# Altium PCB shkb_lite_mini.PcbDoc (part 2 of 2)
Units mm, origin at the board's own origin, x right, y up, seen from the top; angles counter-clockwise.
Board outline 141.5 x 36 mm, 2 copper layers (Top Layer, Bottom Layer), stack 1.57 mm thick; 71 components, 51 nets, 353 pads, 289 vias.
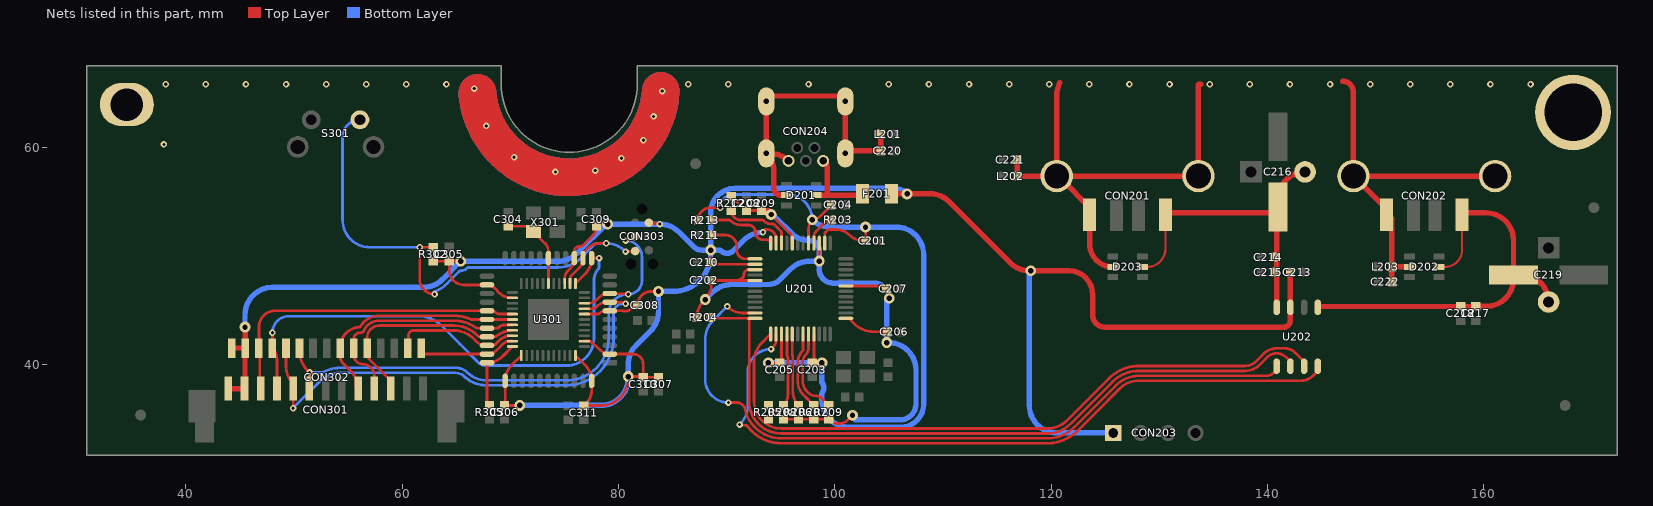
[diagram p2: the nets of this part, all layers, seen from the top]

## Via types
v1: diameter 0.6, hole 0.3, Top Layer to Bottom Layer, tented both sides, 261 vias
v2: diameter 1, hole 0.5, Top Layer to Bottom Layer, tented both sides, 19 vias
v3: diameter 0.6, hole 0.3, Top Layer to Bottom Layer, 9 vias

## Nets (pads, with @x,y where several pads share a name; then routed paths per layer and width w, separated by ;. In a path a pad name is that pad's centre, name@x,y a point inside that pad or via, vN(x,y) a via of type N, cw(c..) or ccw(c..) an arc to the next point about the centre after c; other vN are vias at no path point) (continued)
NetC304_2: C304.2 U301.17 X301.3 | length 7.9
  Top Layer w0.254: C304.2@69.807,52.771 71.531,52.771 72.036,52.266 X301.3@72.136,52.266 73.173,51.23 cw(c72.345,50.402) 73.515,50.402 U301.17@73.515,49.817 U301.17@73.515,47.467
NetR203_2: R203.2 U201.28 | length 3
  Top Layer w0.254: U201.28@98.065,51.198 98.065,51.76 cw(c98.882,51.76) 98.304,52.338 99.055,53.089 cw(c99.68,52.464) 99.069,53.103 cw(c99.68,52.464) R203.2@99.68,53.348
NetR206_1: R206.1 U201.5 | length 6.7
  Top Layer w0.254: U201.5@96.065,42.798 96.065,40.875 ccw(c96.319,40.876) 96.077,40.798 cw(c95.335,40.555) 96.116,40.555 96.116,37.5 ccw(c97.929,37.5) R206.1@96.647,36.218
NetR207_1: R207.1 U201.7 | length 7.3
  Top Layer w0.254: U201.7@97.065,42.798 97.065,41.377 cw(c96.811,41.377) 97.012,41.222 cw(c96.641,41.51) 96.972,41.177 ccw(c97.948,40.204) 96.785,40.943 ccw(c97.948,40.204) 96.595,40.464 ccw(c97.948,40.204) 96.57,40.204 96.57,38.437 ccw(c98.369,38.437) 97.096,37.166 ccw(c98.369,38.437) 97.098,37.164 97.223,37.039 ; 97.223,37.039 ccw(c98.19,38.003) 97.225,37.037 ccw(c98.19,38.003) 97.305,36.963 cw(c97.141,36.77) 97.353,36.909 97.746,36.516 97.746,36.491 98.019,36.218 R207.1@98.044,36.218
NetR208_1: R208.1 U201.4 | length 7.3
  Top Layer w0.254: R208.1@95.25,36.218 ccw(c94.255,37.213) 95.662,37.213 95.662,40.555 ; U201.4@95.565,42.798 95.565,40.875 ccw(c95.819,40.876) 95.607,40.737 cw(c95.335,40.555) 95.662,40.555 ; 95.662,40.013 95.662,40.555
NetR209_1: R209.1 U201.8 | length 7.8
  Top Layer w0.254: U201.8@97.565,42.798 97.565,41.51 cw(c96.641,41.51) 97.295,40.858 ccw(c97.948,40.204) 97.024,40.204 97.024,38.437 ccw(c98.369,38.437) 97.418,37.486 97.545,37.359 ccw(c98.19,38.003) 98.19,37.092 cw(c98.19,36.241) 98.791,36.843 R209.1@99.28,36.355
NetR211_2: R211.2 U201.37 | length 5.4
  Top Layer w0.254: R211.2@88.661,51.976 R211.2@88.661,51.951 89.871,51.951 cw(c89.871,50.89) 90.932,50.89 90.932,50.554 ccw(c91.738,50.554) 91.738,49.748 U201.37@92.615,49.748
NetR212_1: R212.1 U201.34 | length 6.6
  Top Layer w0.254: R212.1@90.424,54.222 ccw(c91.306,54.222) 91.306,53.34 93.267,53.34 cw(c93.266,53.086) 93.454,53.257 ccw(c94.107,53.848) 94.206,52.973 cw(c94.234,52.72) 94.413,52.9 94.738,52.575 ; 94.738,52.574 94.991,52.322 cw(c94.811,52.143) 95.065,52.143 U201.34@95.065,51.198
NetR213_2: R213.2 U201.36 | length 6.5
  Top Layer w0.254: R213.2@88.661,53.34 90.195,53.34 cw(c90.194,53.086) 90.371,53.268 ccw(c91.306,54.222) 91.306,52.886 91.982,52.886 cw(c91.982,52.204) 92.664,52.208 cw(c91.982,52.204) 92.664,52.204 ccw(c93.345,52.197) 93.345,51.516 93.747,51.516 cw(c93.747,51.198) 94.047,51.304 cw(c93.747,51.198) U201.36@94.065,51.198
NetR305_2: R305.2 U301.33 | length 6.9
  Top Layer w0.254: R305.2@68.072,36.21 67.84,36.442 U301.33@67.84,40.142 ccw(c67.84,42.194) 69.291,40.743 U301.33@70.19,41.642
OVCB1: R204.1 U201.48 U202.2 | length 70.1
  Top Layer w0.254: R204.1@88.534,44.331 88.617,44.248 U201.48@92.075,44.248 ; 92.091,36.265 ccw(c95.04,36.574) 95.04,33.609 119.679,33.609 ccw(c119.679,36.149) 119.945,33.623 ccw(c119.656,36.603) 121.774,34.487 125.664,38.377 cw(c128.104,35.941) 125.668,38.381 cw(c128.104,35.941) 127.87,39.381 cw(c128.071,36.849) 128.071,39.389 137.922,39.389 ccw(c137.922,41.275) 139.254,39.94 ccw(c137.922,41.275) 139.257,39.943 139.981,40.667 cw(c140.836,39.811) 140.836,41.021 cw(c140.836,39.811) 141.691,40.667 142.113,40.245 U202.2@142.113,39.82 ; U201.48@92.615,44.248 92.096,44.248 92.075,44.227 92.075,36.574 ccw(c95.04,36.574) 92.837,34.589 ccw(c95.04,36.574) 92.859,34.565 ; 93.319,34.159 ccw(c95.04,36.574) 94.554,33.649
OVCB2: R205.1 U201.1 U202.3 | length 62.6
  Top Layer w0.254: U201.1@94.065,42.798 93.238,41.971 ccw(c94.95,40.259) 92.529,40.259 92.529,36.574 ccw(c95.04,36.574) 95.04,34.063 119.656,34.063 ccw(c119.656,36.603) 121.452,34.807 125.342,38.697 cw(c128.104,35.941) 125.348,38.703 cw(c128.104,35.941) 127.836,39.834 cw(c128.071,36.849) 128.071,39.843 137.922,39.843 ccw(c137.922,41.275) 138.934,40.263 139.659,40.987 cw(c140.836,39.811) 139.661,40.989 cw(c140.836,39.811) 140.836,41.475 141.591,41.475 cw(c141.591,40.118) 142.55,41.077 143.383,40.245 U202.3@143.383,39.82
PB0: CON301.9 CON302.5 U301.8 | length 48.1
  Top Layer w0.254: CON302.5@49.255,41.502 49.255,39.837 ccw(c51.532,39.837) 49.922,38.227 CON301.9@49.922,37.749 49.916,37.744 49.916,35.946 v1(49.911,35.941) ; U301.8@76.84,45.142 77.503,45.142 ccw(c77.503,45.814) 77.978,45.339 cw(c78.951,44.366) 78.951,45.742 U301.8@79.19,45.742 80.402,45.742 80.551,45.593 v1(80.645,45.593)
  Bottom Layer w0.254: v1(49.911,35.941) 52.45,38.48 cw(c54.246,36.684) 54.246,39.224 64.574,39.224 cw(c64.574,36.259) 65.46,39.089 cw(c65.384,38.846) 65.517,39.063 cw(c64.95,38.148) 65.716,38.904 65.81,38.81 65.847,38.773 cw(c65.728,38.548) 65.891,38.743 ccw(c67.756,40.956) 67.282,38.101 ; 66.614,38.297 ccw(c67.756,40.956) 67.282,38.101 ; v1(80.645,45.593) 80.391,45.593 ccw(c80.391,44.742) 79.587,45.022 ccw(c79.828,44.94) 79.582,45.004 ccw(c80.899,44.669) 79.54,44.669 79.54,42.383 cw(c78.867,42.383) 79.54,42.361 ccw(c79.794,42.355) 79.54,42.359 cw(c75.184,42.418) 79.531,42.134 79.531,42.064 cw(c78.823,42.065) 79.51,41.896 ccw(c79.757,41.836) 79.505,41.87 cw(c75.184,42.418) 75.184,38.062 67.568,38.062 cw(c67.568,38.516) 67.471,38.073 67.453,38.076 ccw(c67.399,37.828) 67.426,38.081 cw(c67.756,40.956) 67.282,38.101
PB1: CON301.8 CON302.6 CON303.3 U301.9 | length 51.7
  Top Layer w0.254: CON302.6@50.505,40.831 CON302.6@50.505,41.226 ; CON302.6@50.505,41.502 CON302.6@50.505,41.226 ; CON301.8@51.422,37.749 51.428,37.756 51.428,39.223 v1@51.422,39.23 ; v1(51.435,39.243) 51.248,39.43 cw(c53.045,41.226) CON302.6@50.505,41.226 ; U301.9@76.84,45.642 77.177,45.642 ccw(c77.177,46.775) 77.978,45.974 78.091,46.087 cw(c79.19,44.987) U301.9@79.19,46.542 79.22,46.512 80.869,46.512 v1(80.899,46.482) ; v1(80.645,51.435) ccw(c80.645,52.661) 81.512,51.794 CON303.3@81.534,51.816
  Bottom Layer w0.254: v1(51.435,39.243) 52.623,39.243 ccw(c52.622,39.497) 52.749,39.277 cw(c54.246,36.684) 54.246,39.678 64.762,39.678 cw(c64.762,36.682) 65.399,39.609 cw(c65.345,39.361) 65.423,39.603 cw(c64.95,38.148) 66.035,39.227 ccw(c67.756,40.956) 67.512,38.528 67.568,38.516 68.027,38.516 ccw(c68.03,40.977) 68.03,38.516 68.032,38.516 75.184,38.516 ccw(c75.184,42.418) 79.061,41.977 ccw(c78.823,42.065) 79.077,42.064 79.077,42.142 cw(c79.331,42.141) 79.077,42.157 ccw(c75.184,42.418) 79.086,42.37 cw(c79.34,42.365) 79.086,42.374 ccw(c78.867,42.383) 79.086,42.383 79.086,44.669 cw(c80.899,44.669) v1(80.899,46.482) ccw(c80.899,47.752) 82.169,47.752 82.169,49.911 ccw(c80.645,49.911) v1(80.645,51.435)
PB4: CON301.5 CON302.9 U301.28 | length 22.9
  Top Layer w0.254: U301.28@70.19,44.142 U301.28@67.84,44.142 66.447,44.142 cw(c66.448,44.396) 66.348,44.163 ccw(c64.788,40.586) 64.788,44.488 57.881,44.488 ccw(c57.881,42.454) 56.509,43.956 56.485,43.934 ccw(c56.655,43.745) 56.475,43.925 56.445,43.895 ccw(c57.881,42.454) 56.107,43.449 cw(c56.011,43.684) 56.027,43.431 ccw(c56.134,41.555) 54.398,42.275 54.255,41.555 CON302.9@54.255,41.502 54.255,40.773 ccw(c55.251,40.773) 54.546,40.069 55.123,39.492 55.254,39.361 cw(c53.642,37.749) CON301.5@55.699,38.733 ; CON301.5@55.699,38.733 cw(c53.642,37.749) CON301.5@55.922,37.749 55.699,37.972 CON301.5@55.699,38.733
PB5: CON301.4 CON302.10 U301.29 | length 22.2
  Top Layer w0.254: CON301.4@57.422,38.124 57.422,38.989 ccw(c56.533,38.989) 57.161,39.617 57.046,39.732 ccw(c56.388,39.074) 57.045,39.733 ccw(c56.388,39.074) 56.388,40.005 cw(c56.388,40.888) 55.505,40.888 CON302.10@55.505,41.502 55.505,42.297 cw(c56.134,42.297) 56.134,42.926 56.198,42.926 ccw(c56.196,43.18) 56.429,43.079 cw(c57.881,42.454) 57.881,44.034 64.788,44.034 cw(c64.788,40.586) 66.347,43.662 ; 65.224,44.006 cw(c64.788,40.586) 66.347,43.662 ; U301.29@70.19,43.642 69.464,43.642 ccw(c69.464,42.931) 68.961,43.434 cw(c68.739,43.656) 68.739,43.342 U301.29@67.84,43.342 66.942,43.342 cw(c66.943,43.596) 66.796,43.389 ccw(c64.788,40.586) 66.759,43.415 ccw(c64.788,40.586) 66.347,43.662
PB6: CON301.3 CON302.11 U301.30 | length 21.3
  Top Layer w0.254: CON301.3@58.922,37.749 58.922,38.499 56.977,40.444 cw(c57.514,40.981) 56.755,40.981 CON302.11@56.755,41.502 56.755,42.454 cw(c57.881,42.454) 57.881,43.58 64.788,43.58 cw(c64.788,40.586) 66.904,42.704 cw(c64.788,40.586) 66.906,42.703 ; 65.885,43.372 cw(c64.788,40.586) 66.906,42.703 ; U301.30@70.19,43.142 ccw(c70.19,41.616) 69.837,43.101 cw(c69.779,43.348) 69.784,43.094 ccw(c69.79,42.642) 69.673,43.079 cw(c69.608,43.324) 69.657,43.075 ccw(c69.883,41.877) 69.269,42.93 cw(c69.142,43.15) 69.242,42.917 ccw(c69.902,41.35) 69.011,42.798 ccw(c69.902,41.35) 68.815,42.657 cw(c68.654,42.853) 68.762,42.624 cw(c68.394,43.414) 68.394,42.542 U301.30@67.84,42.542 67.171,42.542 cw(c67.171,42.796) 67.024,42.589 cw(c67.171,42.796) 66.992,42.616 66.906,42.703
PB7: CON301.10 CON302.4 U301.12 | length 50.1
  Top Layer w0.254: CON302.4@48.005,41.502 cw(c46.998,40.496) 48.422,40.496 CON301.10@48.422,37.749 ; CON302.4@48.005,41.503 v1(48.006,42.926) ; U301.12@76.015,47.467 76.914,48.366 ccw(c75.463,49.817) U301.12@77.515,49.817 77.521,49.822 v1(78.201,49.822)
  Bottom Layer w0.254: v1(48.006,42.926) cw(c49.53,42.926) 49.53,44.45 61.498,44.45 cw(c61.498,41.456) 63.614,43.574 cw(c61.498,41.456) 63.616,43.572 65.278,41.91 66.995,40.193 ccw(c67.756,40.956) 67.756,39.878 75.184,39.878 ccw(c75.184,42.418) 77.724,42.418 77.724,47.698 cw(c79.502,47.698) 78.142,48.843 ; 78.142,48.844 ccw(c77.947,49.006) 78.201,49.005 v1(78.201,49.822)
PC6: CON302.14 U301.31 | length 11.9
  Top Layer w0.254: CON302.14@60.505,41.502 60.579,41.577 60.579,42.672 cw(c61.033,42.672) 61.033,43.126 64.788,43.126 cw(c64.788,40.586) 66.584,42.382 66.88,42.086 ccw(c67.71,42.915) 67.381,41.789 ccw(c67.71,42.915) 67.71,41.742 U301.31@67.796,41.742 ; U301.31@67.84,41.742 U301.31@67.796,41.742 ; U301.31@70.19,42.642 69.883,42.642 ccw(c69.883,41.877) 69.479,42.527 cw(c69.346,42.743) 69.441,42.508 ccw(c69.902,41.35) 69.098,42.302 ccw(c69.902,41.35) 69.02,42.23 68.65,41.861 cw(c68.471,42.041) 68.471,41.787 67.806,41.787 ccw(c67.808,41.533) 67.796,41.786 U301.31@67.796,41.742
PC7: CON302.15 U301.32 | length 9.3
  Top Layer w0.254: CON302.15@61.755,41.502 61.755,41.165 61.978,40.942 U301.32@67.84,40.942 ccw(c67.84,42.231) 68.752,41.32 69.342,41.91 cw(c69.902,41.35) 69.902,42.142 U301.32@70.19,42.142
PD7: CON301.11 CON302.3 U301.27 | length 30.1
  Top Layer w0.254: CON301.11@46.922,37.749 46.838,37.833 46.838,41.419 CON302.3@46.755,41.502 46.755,43.453 cw(c48.244,43.453) 48.244,44.942 U301.27@67.84,44.942 68.312,44.942 cw(c68.312,44.563) 68.58,44.831 ccw(c69.036,45.287) 69.036,44.642 U301.27@70.19,44.642
PORT1_PWR: C214.2 C215.2 C216.1 CON201.1 D203.5 U202.8 | length 30.7
  Top Layer w0.203: D203.5@128.433,49 128.893,49 ccw(c128.893,50.665) 130.558,50.665 CON201.1@130.558,53.808
  Top Layer w0.5: CON201.1@130.558,54 C216.1@140.843,54 ; U202.8@140.843,45.27 C216.1@140.843,54 ; C216.1@140.97,54.102 140.868,54 C216.1@140.843,54 ; C216.1@143.47,57.785 ccw(c143.47,55.285) 140.97,55.285 C216.1@140.97,54.535 140.843,54.408 C216.1@140.843,54
PORT2_PWR: C217.2 C218.2 C219.1 CON202.1 D202.5 U202.5 | length 40.3
  Top Layer w0.203: D202.5@155.868,49 156.411,49 ccw(c156.411,50.582) 157.993,50.582 CON202.1@157.993,53.808
  Top Layer w0.5: U202.5@144.653,45.27 144.653,45.293 144.699,45.339 C217.2@159.258,45.339 ; CON202.1@157.993,54 160.199,54 cw(c160.199,51.46) 162.739,51.46 C219.1@162.739,48.26 ; C217.2@159.258,45.354 160.199,45.354 ccw(c160.199,47.894) 162.739,47.894 C219.1@162.739,48.26 ; C219.1@165.989,45.76 ccw(c163.489,45.76) 163.489,48.26 C219.1@162.739,48.26
PWRB1: U201.47 U202.1 | length 68.5
  Top Layer w0.254: v1(90.043,45.347) ccw(c91.489,46.793) 91.489,44.748 U201.47@92.615,44.748 ; v1(90.162,36.458) 90.906,36.458 cw(c90.906,35.602) 91.026,36.45 cw(c90.906,35.602) 91.651,36.024 cw(c91.429,35.9) 91.679,35.947 ccw(c95.04,36.574) 91.762,35.602 ccw(c95.04,36.574) 92.329,34.491 ccw(c95.04,36.574) 92.511,34.273 ccw(c95.04,36.574) 95.04,33.155 119.679,33.155 ccw(c119.679,36.149) 119.991,33.171 ccw(c119.656,36.603) 122.096,34.167 125.987,38.057 cw(c128.104,35.941) 125.988,38.059 cw(c128.104,35.941) 128.104,38.935 139.898,38.935 ccw(c139.898,39.88) 140.566,39.212 140.843,39.489 U202.1@140.843,39.82
  Bottom Layer w0.254: v1(90.043,45.347) 88.755,44.059 ccw(c90.551,42.263) 88.011,42.263 88.011,38.609 ccw(c90.162,38.609) v1(90.162,36.458)
PWRB2: U201.2 U202.4 | length 70.3
  Top Layer w0.254: v1(91.186,34.425) 91.252,34.359 91.734,34.359 cw(c91.733,34.105) 91.936,34.257 ccw(c95.04,36.574) 92.176,33.967 ; 92.176,33.967 ccw(c95.04,36.574) 94.286,32.775 ; 92.182,33.96 ccw(c95.04,36.574) 95.04,32.701 117.298,32.701 ccw(c117.3,42.291) 117.307,32.701 119.88,32.701 ccw(c119.88,33.79) 120.068,32.717 ccw(c119.88,33.79) 120.118,32.727 cw(c120.172,32.479) 120.14,32.731 ccw(c119.656,36.603) 120.267,32.749 ; 94.332,41.635 ccw(c93.768,42.198) 94.556,42.08 ; 120.821,32.879 cw(c119.656,36.603) 120.267,32.749 ; U202.4@144.653,39.82 144.653,39.395 144.196,38.938 cw(c143.093,40.041) 143.093,38.481 128.104,38.481 ccw(c128.104,35.941) 126.308,37.737 124.082,35.511 cw(c117.3,42.291) 124.078,35.507 122.418,33.847 cw(c119.656,36.603) 122.412,33.841 122.284,33.713 ccw(c122.416,33.496) 122.248,33.686 cw(c119.656,36.603) 120.267,32.749 ; 94.556,42.08 ccw(c93.768,42.198) 94.565,42.198 U201.2@94.565,42.798 94.556,42.789 94.556,42.08
  Bottom Layer w0.254: v1(91.186,34.425) 91.204,34.443 ccw(c89.408,36.239) 91.948,36.239 91.948,39.251 cw(c94.107,39.251) 92.493,40.685 cw(c94.107,39.251) 92.673,40.865 cw(c94.107,39.251) v1(94.107,41.41)
RAW: CON204.1 D201.5 F201.2 | length 7.8
  Top Layer w0.5: D201.5@98.276,55.634 99.314,55.634 ; CON204.1@98.915,59.05 cw(c97.952,58.087) 98.917,59.048 cw(c97.952,58.087) 99.314,58.087 99.314,55.634 ; F201.2@102.536,55.761 cw(c102.229,56.068) 102.229,55.634 99.314,55.634
RST: CON303.5 R302.1 S301.1 U301.13 | length 51.2
  Top Layer w0.254: R302.1@62.873,50.82 v1(61.615,50.82) 61.615,47.859 ccw(c62.992,47.859) v1(62.992,46.482) ; U301.13@75.515,47.467 75.515,47.834 cw(c76.118,47.834) 75.692,48.26 76.338,48.906 ccw(c75.427,49.817) U301.13@76.715,49.817 76.715,50.258 77.24,50.783 cw(c78.201,49.822) 78.201,51.181 v1(78.867,51.181) ; v1(80.645,50.419) 80.669,50.443 81.51,50.443 CON303.5@81.534,50.466
  Bottom Layer w0.254: S301.1@56.093,62.602 ccw(c56.093,60.992) 54.483,60.992 54.483,53.36 ccw(c57.023,53.36) 57.023,50.82 v1(61.615,50.82) ; v1@62.919,46.698 ccw(c61.94,49.657) 64.145,47.454 65.267,48.576 cw(c65.446,48.396) 65.436,48.65 ccw(c65.405,49.53) 66.005,48.885 cw(c66.178,48.699) 66.177,48.953 74.386,48.953 ccw(c74.386,52.07) 76.591,49.867 77.831,51.107 cw(c78.01,50.927) 78.01,51.181 v1(78.867,51.181) cw(c78.867,48.728) 80.601,50.463 v1(80.645,50.419)
SHIELD: C220.2 C221.2 C222.2 CON201.4 CON201.5 CON202.4 CON202.5 CON204.5 CON204.S D201.2 D202.2 D203.2 L201.2 L202.2 L203.2 pad. | length 161.6
  Top Layer w0.5: 94.996,55.634 cw(c94.996,56.269) 94.361,56.269 94.361,57.82 ccw(c91.985,57.82) CON204.S@93.665,59.5 94.025,59.5 cw(c94.025,57.11) CON204.S@94.047,59.5 ; CON204.5@95.715,58.8 ccw(c94.025,57.11) CON204.S@94.047,59.5 ; CON204.S@100.965,59.75 C220.2@104.252,59.75 L201.2@104.252,61.274 ; CON204.S@100.965,60 100.965,64.8 93.665,64.8 CON204.S@93.665,64.3 93.665,60 cw(c91.985,58.32) CON204.S@94.047,59.5 ; C221.2@116.855,58.928 L202.2@116.855,57.404 116.855,57.4 CON201.5@120.508,57.4 ; 120.777,66.04 120.508,65.152 CON201.5@120.508,57.4 ; CON201.4@123.558,53.808 123.558,51.125 ccw(c125.683,51.125) D203.2@125.683,49 ; CON201.4@123.827,54.231 120.764,57.294 ccw(c120.508,57.038) CON201.5@120.508,57.4 ; 133.849,65.892 133.752,65.892 cw(c133.752,65.913) 133.731,65.913 ccw(c133.731,65.79) 133.608,65.79 CON201.5@133.608,57.4 CON201.5@120.508,57.4 ; 146.939,66.167 cw(c146.939,65.163) 147.943,65.163 CON202.5@147.943,57.4 ; CON202.4@150.993,53.808 cw(c150.993,53.308) 151.493,53.308 151.493,47.531 ccw(c151.526,47.531) C222.2@151.526,47.498 ; CON202.4@151.237,54.106 CON202.5@147.943,57.4 ; L203.2@151.526,48.895 cw(c151.631,48.895) 151.631,49 D202.2@153.118,49 ; CON202.5@161.043,57.4 CON202.5@147.943,57.4
  Top Layer w3.5: 66.95,65.076 ccw(c75.42,65.791) v1@83.904,65.265
  Bottom Layer w3.5: 66.95,65.076 ccw(c75.42,65.791) v1@83.904,65.265
  other v1: 74.168,57.785 77.851,57.912 80.264,59.055 70.34,59.136 37.973,60.325 82.296,60.706 67.775,62.032 83.244,62.921 84.031,65.257 66.657,65.486 38.133,65.892 41.842,65.892 45.55,65.892 49.258,65.892 52.967,65.892 56.675,65.892 60.384,65.892 64.092,65.892 86.444,65.892 90.152,65.892 97.569,65.892 104.986,65.892 108.694,65.892 112.403,65.892 116.111,65.892 119.82,65.892 123.528,65.892 127.236,65.892 130.945,65.892 134.653,65.892 138.362,65.892 142.07,65.892 145.778,65.892 149.487,65.892 153.195,65.892 156.904,65.892 160.612,65.892 164.32,65.892
VCC1V8: C201.2 C203.2 C204.2 C205.2 R213.1 U201.3 U201.9 U201.26 U201.29 | length 77.7
  Top Layer w0.254: R213.1@87.361,53.34 cw(c88.504,53.34) 88.504,54.483 v1(89.408,54.483) ; v2(93.853,40.14) 94.895,40.14 ccw(c94.485,40.55) C205.2@94.91,40.155 ccw(c94.485,40.55) 95.065,40.55 U201.3@95.065,42.798 ; U201.29@97.565,51.198 97.565,52.534 cw(c98.731,52.534) v2(97.907,53.358) ccw(c97.907,54.292) 98.567,53.632 C204.2@99.68,54.745 ; C203.2@97.932,40.14 v2(98.806,40.14) ; C203.2@98.065,40.175 U201.9@98.065,42.798 ; U201.26@99.065,51.198 99.074,51.207 99.074,51.97 cw(c99.563,51.97) 99.563,52.459 100.12,52.459 cw(c100.12,50.725) 101.346,51.951 ccw(c102.572,53.177) 102.572,51.443 C201.2@102.855,51.443 ; C201.2@102.845,51.453 v2@102.845,52.673
  Top Layer w0.5: v2(102.834,52.684) v2@102.845,52.673 ; C201.2@102.845,51.453 C201.2@102.855,51.443
  Bottom Layer w0.254: v1(89.408,54.483) 89.408,54.704 ccw(c89.154,54.704) 89.407,54.724 89.396,54.869 cw(c89.649,54.889) 89.448,55.044 cw(c90.771,54.017) 89.624,55.238 89.64,55.252 cw(c90.771,54.017) 90.771,55.692 95.573,55.692 cw(c95.573,53.358) v2(97.907,53.358)
  Bottom Layer w0.5: v2(93.853,40.14) v2(98.806,40.14) 98.806,38.356 ccw(c99.249,38.587) 98.835,38.307 cw(c98.171,37.854) 98.87,37.457 ccw(c99.306,37.212) 98.806,37.214 98.806,36.711 ccw(c101.346,36.711) 101.078,34.185 ccw(c101.346,36.711) 101.346,34.171 106.045,34.171 ccw(c106.045,36.33) 108.204,36.33 108.204,50.144 ccw(c105.664,50.144) 105.664,52.684 v2(102.834,52.684) 99.535,52.684 cw(c99.535,54.987) v2(97.907,53.358)
VCC3V3: C202.2 C206.2 C207.2 C208.2 C209.2 R204.2 R205.2 R206.2 R207.2 R208.2 R209.2 R212.2 U201.13 U201.19 U201.27 U201.32 U201.39 U201.41 | length 83.3
  Top Layer w0.254: R204.2@87.234,44.331 cw(c89.344,44.331) 87.852,45.823 v2(88.011,45.982) ccw(c86.649,47.344) 88.575,47.344 C202.2@88.575,47.76 ; C202.2@88.702,47.887 88.832,47.757 90.864,47.757 ; R212.2@90.424,55.522 90.722,55.249 91.523,54.495 C208.2@91.821,54.222 C209.2@93.218,54.222 ; U201.41@92.615,47.748 92.606,47.757 90.864,47.757 ; U201.39@92.615,48.748 92.032,48.748 ccw(c92.032,48.308) 91.891,48.725 ccw(c92.032,48.308) 91.852,48.71 ccw(c92.032,48.308) 91.592,48.308 ccw(c92.065,48.248) 91.588,48.265 cw(c91.334,48.274) 91.584,48.226 cw(c91.164,48.309) 91.467,48.006 cw(c90.864,48.608) 90.864,47.757 ; R205.2@93.853,36.218 cw(c93.853,35.984) 93.88,36.216 cw(c93.853,35.984) 94.018,36.15 R208.2@95.25,34.918 R206.2@96.647,34.918 R207.2@98.044,34.918 R209.2@99.441,34.918 99.471,34.888 ccw(c100.367,35.784) 99.633,34.751 ccw(c100.367,35.784) 100.367,34.517 ccw(c100.367,35.723) 101.22,34.87 ; v2(94.107,53.848) 95.758,52.197 ccw(c95.937,52.377) 95.807,52.159 cw(c95.565,51.748) 96.042,51.748 96.042,51.302 ccw(c96.296,51.304) U201.32@96.065,51.198 ; v2(98.552,49.538) 98.558,49.545 98.558,51.192 U201.27@98.565,51.198 ; U201.19@101.015,47.248 104.51,47.248 C207.2@104.76,46.998 105.033,46.725 v2(105.033,46.105) ; 101.22,34.87 v2(101.632,35.282) ; U201.13@101.29,44.248 101.777,43.761 ccw(c103.573,45.557) 102.604,43.209 ccw(c103.573,45.557) 103.573,43.017 C206.2@104.775,43.017 ; 104.775,42.553 C206.2@104.775,43.017 ; C206.2@104.83,43.017 C206.2@104.775,43.017
  Top Layer w0.5: C209.2@93.218,54.222 93.733,54.222 cw(c93.733,53.848) v2(94.107,53.848)
  Bottom Layer w0.5: v2(88.011,45.982) 88.664,46.635 cw(c90.46,44.839) 89.408,47.151 cw(c90.46,44.839) 90.46,47.379 93.852,47.379 ccw(c93.852,48.904) 94.93,47.826 95.899,48.794 cw(c97.695,46.998) 97.695,49.538 v2(98.552,49.538) ; v2(94.107,53.848) cw(c94.107,53.459) v2@94.382,53.734 ; v2@94.382,53.734 96.154,51.962 ccw(c97.663,53.896) 97.663,51.443 cw(c97.663,50.554) 98.552,50.554 v2(98.552,49.538) ; v2(101.632,35.282) ccw(c102.043,35.282) 102.043,34.871 106.045,34.871 ccw(c106.045,36.33) 107.504,36.33 107.504,39.461 ccw(c104.964,39.461) 104.964,42.001 v2(104.804,42.001) 104.804,45.876 cw(c105.033,45.876) v2(105.033,46.105) ccw(c103.632,46.105) 103.632,47.506 99.822,47.506 cw(c99.822,48.776) 98.827,47.986 cw(c99.822,48.776) 98.552,48.776 v2(98.552,49.538)
VCC5V: C210.2 C213.2 C305.2 C306.2 C307.2 C308.2 C309.2 C310.2 C311.2 CON203.1 CON301.12 CON301.13 CON302.1 CON302.2 CON303.2 F201.1 R302.2 U201.35 U201.38 U202.7 U301.2 U301.7 U301.14 U301.24 U301.34 U301.44 | length 246.1
  Top Layer w0.254: R302.2@62.873,49.52 62.883,49.53 64.331,49.53 C305.2@64.346,49.545 ; v2(65.405,49.53) 65.39,49.545 C305.2@64.346,49.545 ; U301.24@70.19,46.142 70.088,46.142 cw(c70.088,47.736) 68.961,46.609 68.821,46.749 cw(c69.001,46.928) 68.777,46.809 ccw(c68.265,46.542) 68.53,47.055 cw(c68.648,47.28) 68.477,47.092 ccw(c67.84,46.407) U301.24@67.84,47.342 65.688,47.342 cw(c65.688,48.684) 64.346,48.684 C305.2@64.346,49.545 ; v2(70.866,36.195) 69.484,36.195 C306.2@69.469,36.21 69.515,36.256 U301.34@69.515,38.467 cw(c71.567,38.467) 70.116,39.918 U301.34@71.015,40.817 ; U301.14@75.015,47.467 75.015,47.927 cw(c76.025,47.927) 75.311,48.641 75.511,48.841 ccw(c74.535,49.817) U301.14@75.915,49.817 75.915,50.474 cw(c76.323,50.474) 76.034,50.761 cw(c76.323,50.474) 76.323,50.881 76.327,50.881 ccw(c76.327,51.562) 76.808,51.08 ; U301.44@76.015,40.817 76.914,39.918 cw(c75.463,38.467) U301.44@77.515,38.467 77.515,37.574 cw(c75.837,37.574) C311.2@77.024,36.388 ; C311.2@76.792,36.18 C311.2@76.817,36.18 ; 76.809,51.08 77.579,51.851 ; U301.2@76.84,42.142 77.291,42.142 cw(c77.291,41.888) 77.471,42.067 77.537,42.001 ccw(c79.19,43.651) 77.977,41.655 78.336,41.296 ccw(c79.19,42.15) U301.2@79.19,40.942 81.359,40.942 cw(c81.359,40.023) 82.278,40.023 C310.2@82.278,38.806 ; U301.7@76.84,44.642 78.083,44.642 ccw(c78.083,44.853) 78.232,44.704 cw(c78.807,44.129) 78.807,44.942 U301.7@79.19,44.942 80.419,44.942 cw(c80.409,44.688) 80.473,44.934 ccw(c80.645,45.593) 80.645,44.912 ccw(c80.645,45.593) 81.182,45.174 cw(c81.381,45.017) 81.201,45.195 81.301,45.296 cw(c81.48,45.115) 81.48,45.369 81.482,45.369 81.746,45.491 C308.2@81.755,45.496 ; C311.2@77.024,36.387 C311.2@76.817,36.18 ; 77.58,51.852 ccw(c76.66,52.771) 77.662,51.943 ccw(c76.66,52.771) C309.2@77.96,52.771 78.148,52.959 v2(78.994,52.959) ; C308.2@81.755,45.471 cw(c83.021,45.471) 81.756,45.496 cw(c83.021,45.471) 83.021,46.736 v2(83.693,46.736) ; CON303.2@82.804,53.086 82.867,53.023 83.757,53.023 v1(83.82,52.959) ; C307.2@83.701,38.806 C310.2@82.278,38.806 ; v2(88.519,50.554) 88.519,49.467 88.586,49.447 C210.2@88.848,49.369 ; C210.2@88.575,49.411 ccw(c88.969,49.805) 88.969,49.248 U201.38@92.615,49.248 ; v1(93.345,52.197) cw(c93.607,52.197) 93.607,52.459 93.726,52.459 cw(c93.726,51.62) 94.501,51.943 cw(c94.065,51.748) 94.52,51.89 cw(c93.726,51.62) 94.565,51.62 U201.35@94.565,51.198 ; C311.2@76.817,36.18 78.359,36.18 ccw(c78.359,38.72) 80.899,38.72 v2(80.899,38.862) 82.222,38.862 C310.2@82.278,38.806
  Top Layer w0.5: CON301.13@43.922,37.749 CON301.12@45.422,37.749 45.463,37.791 45.463,41.461 CON302.2@45.505,41.502 ; CON302.1@44.255,41.502 CON302.2@45.505,41.502 ; v2(45.466,43.434) 45.485,43.415 45.485,41.522 CON302.2@45.505,41.502 ; F201.1@105.236,55.761 105.244,55.753 v2(106.68,55.753) 106.688,55.761 108.795,55.761 cw(c108.795,53.221) 110.591,55.017 116.223,49.385 ccw(c118.019,51.181) 118.019,48.641 v2(118.11,48.641) 121.645,48.641 cw(c121.645,46.461) 123.825,46.461 123.825,44.577 ccw(c124.968,44.577) 124.403,43.584 ccw(c124.968,44.577) 124.968,43.434 141.484,43.434 ccw(c141.484,44.063) 142.113,44.063 U202.7@142.113,45.27 142.105,45.277 142.105,48.507 C213.2@142.098,48.514
  Bottom Layer w0.5: v2(45.466,43.434) 45.466,44.577 cw(c48.006,44.577) 48.006,47.117 61.94,47.117 ccw(c61.94,49.657) 63.736,47.861 v2(65.405,49.53) 74.386,49.53 ccw(c74.386,52.07) 76.182,50.274 78.867,52.959 v2(78.994,52.959) v1(83.82,52.959) cw(c83.82,50.487) 85.568,52.235 86.868,50.935 ccw(c87.788,51.855) 87.788,50.554 v2(88.519,50.554) ; v2(70.866,36.195) 78.359,36.195 ccw(c78.359,38.735) 80.899,38.735 v2(80.899,38.862) 80.899,39.969 cw(c83.439,39.969) 81.643,41.765 82.949,43.071 ccw(c81.153,44.867) 83.693,44.867 v2(83.693,46.736) 85.043,46.736 ccw(c85.043,50.212) 88.519,50.212 v2(88.519,50.554) ; v1(93.345,52.197) ccw(c93.345,49.634) 91.533,51.446 90.764,50.677 ccw(c91.119,50.325) 90.707,50.609 cw(c90.043,51.062) 90.043,50.258 cw(c90.043,51.062) 89.532,50.441 ccw(c89.216,50.054) 89.217,50.554 v2(88.519,50.554) ; v2(106.68,55.753) ccw(c105.434,54.507) 105.434,56.269 98.298,56.269 90.771,56.269 ccw(c90.771,54.017) 88.519,54.017 v2(88.519,50.554) ; v2(118.11,48.641) ccw(c118.11,48.514) 117.983,48.514 117.983,36.195 ccw(c120.523,36.195) 120.523,33.655 CON203.1@125.73,33.655
pads on no net: CON204.4 CON303.0 D201.3 D201.4 D202.1 D202.6 D203.1 D203.6 FID1.0 FID2.0 FID3.0 FID4.0 U201.43 U201.44 U201.45 U201.46 U301.1 U301.18 U301.19 U301.20 U301.21 U301.22 U301.25 U301.26 U301.36 U301.37 U301.38 U301.39 U301.40 U301.41

## Polygon pours and split planes (outlines as drawn)
GND on Bottom Layer "Bottom Layer-GND" (solid, remove dead copper, pour order 0): 30.843,31.602 30.843,67.602 69.143,67.602 69.143,65.902 ccw(c75.443,65.902) 75.443,59.602 ccw(c75.443,65.902) 81.743,65.902 81.743,67.602 172.344,67.602 172.344,31.602
GND on Top Layer "Top Layer-GND" (solid, remove dead copper, pour order 1): 30.843,31.602 30.843,67.602 69.143,67.602 69.143,65.902 ccw(c75.443,65.902) 75.443,59.602 ccw(c75.443,65.902) 81.743,65.902 81.743,67.602 172.344,67.602 172.344,31.602

## Other copper
Top Layer:
  region net SHIELD: 171.966,56.342 171.966,67.086 162.433,67.086 162.433,56.342
  rectangle net SHIELD: 82.126,64.902 171.966,67.061
  rectangle net SHIELD: 31.377,64.902 68.715,67.061
  rectangle net SHIELD: 31.377,59.796 41.664,67.061
  pour cut-out: 64.857,64.9 ccw(c75.42,65.791) 86,65.135 ccw(c83.904,65.265) 86.004,65.265 ccw(c83.904,65.265) 81.808,65.395 cw(c75.42,65.791) 69.043,65.253 ccw(c66.95,65.076)
  pour cut-out: 40.318,64.597 40.318,67.602 171.919,67.602 171.919,64.597
  pour cut-out: 29.726,68.763 29.777,68.813 41.918,68.813 41.918,59.436 29.715,59.436
  pour cut-out: 172.169,56.088 147.077,56.088 147.077,66.35 172.169,66.35
  pour cut-out: 134.498,55.858 119.639,55.858 119.639,65.902 134.498,65.902
Bottom Layer:
  rectangle net SHIELD: 31.377,59.796 41.664,67.061
  rectangle net SHIELD: 31.377,64.902 68.715,67.061
  rectangle net SHIELD: 82.126,64.902 171.966,67.061
  region net SHIELD: 171.966,56.342 171.966,67.086 162.433,67.086 162.433,56.342
  pour cut-out: 64.857,64.9 ccw(c75.42,65.791) 86,65.135 ccw(c83.904,65.265) 86.004,65.265 ccw(c83.904,65.265) 81.808,65.395 cw(c75.42,65.791) 69.043,65.253 ccw(c66.95,65.076)
  pour cut-out: 172.169,56.088 147.077,56.088 147.077,66.35 172.169,66.35
  pour cut-out: 134.498,55.858 119.639,55.858 119.639,65.902 134.498,65.902
  pour cut-out: 40.318,64.597 40.318,67.602 171.919,67.602 171.919,64.597
  pour cut-out: 29.726,68.763 29.777,68.813 41.918,68.813 41.918,59.436 29.715,59.436

## Silkscreen, mask and mechanical layers (free items; w line width, h text height)
Top Overlay:
  drawing of 2 lines, arcs and shapes, not listed
  text "SHKB Lite" at 37.943,49.99 h3.3
  text "Rev A2 - mini" at 38.832,48.339 h2
Bottom Overlay:
  drawing of 6 lines, arcs and shapes, not listed
  text "Reset/DFU" at 57.977,65.532 h2
  text "SHKB Lite" at 151.934,49.276 h3.3
  text "Rev A2 - mini" at 151.003,47.625 h2
  text "QMK flash command with VIA:  / ANSI connector: make hhkb/ansi:via:flash / JIS connector: make hhkb/jp:via:flash" at 161.672,39.37 h2
  text "VCC" at 126.111,37.592 h0.75 r90
  text "GND" at 133.731,37.592 h0.75 r90
  text "DN" at 128.651,36.83 h0.75 r90
  text "DP" at 131.191,36.83 h0.75 r90
  text "Internal port is unprotected, use with care" at 132.702,32.639 h2
outline:
  the board outline again, w0.1

## Text inside footprints (layer, text, board x,y; h text height)
C216: Top Overlay "+" at 142.646,60.833 h1.52 r270; Top Overlay "-" at 137.719,55.728 h1.52 r270
C219: Top Overlay "-" at 163.932,51.511 h1.52 r180; Top Overlay "+" at 169.037,46.584 h1.52 r180